# Altium PCB 2-quilter-output.pcbdoc (part 1 of 17)
Units mil, origin at the board's own origin, x right, y up, seen from the top; angles counter-clockwise.
Board outline 2728 x 2217 mil, 8 copper layers (L1_TOP, L2_GND, L3_INNER1, L4_GND, L5_PWR, L6_PWR, L7_GND, L8_BOT), stack 48.64 mil thick; 230 components, 327 nets, 1592 pads, 995 vias.
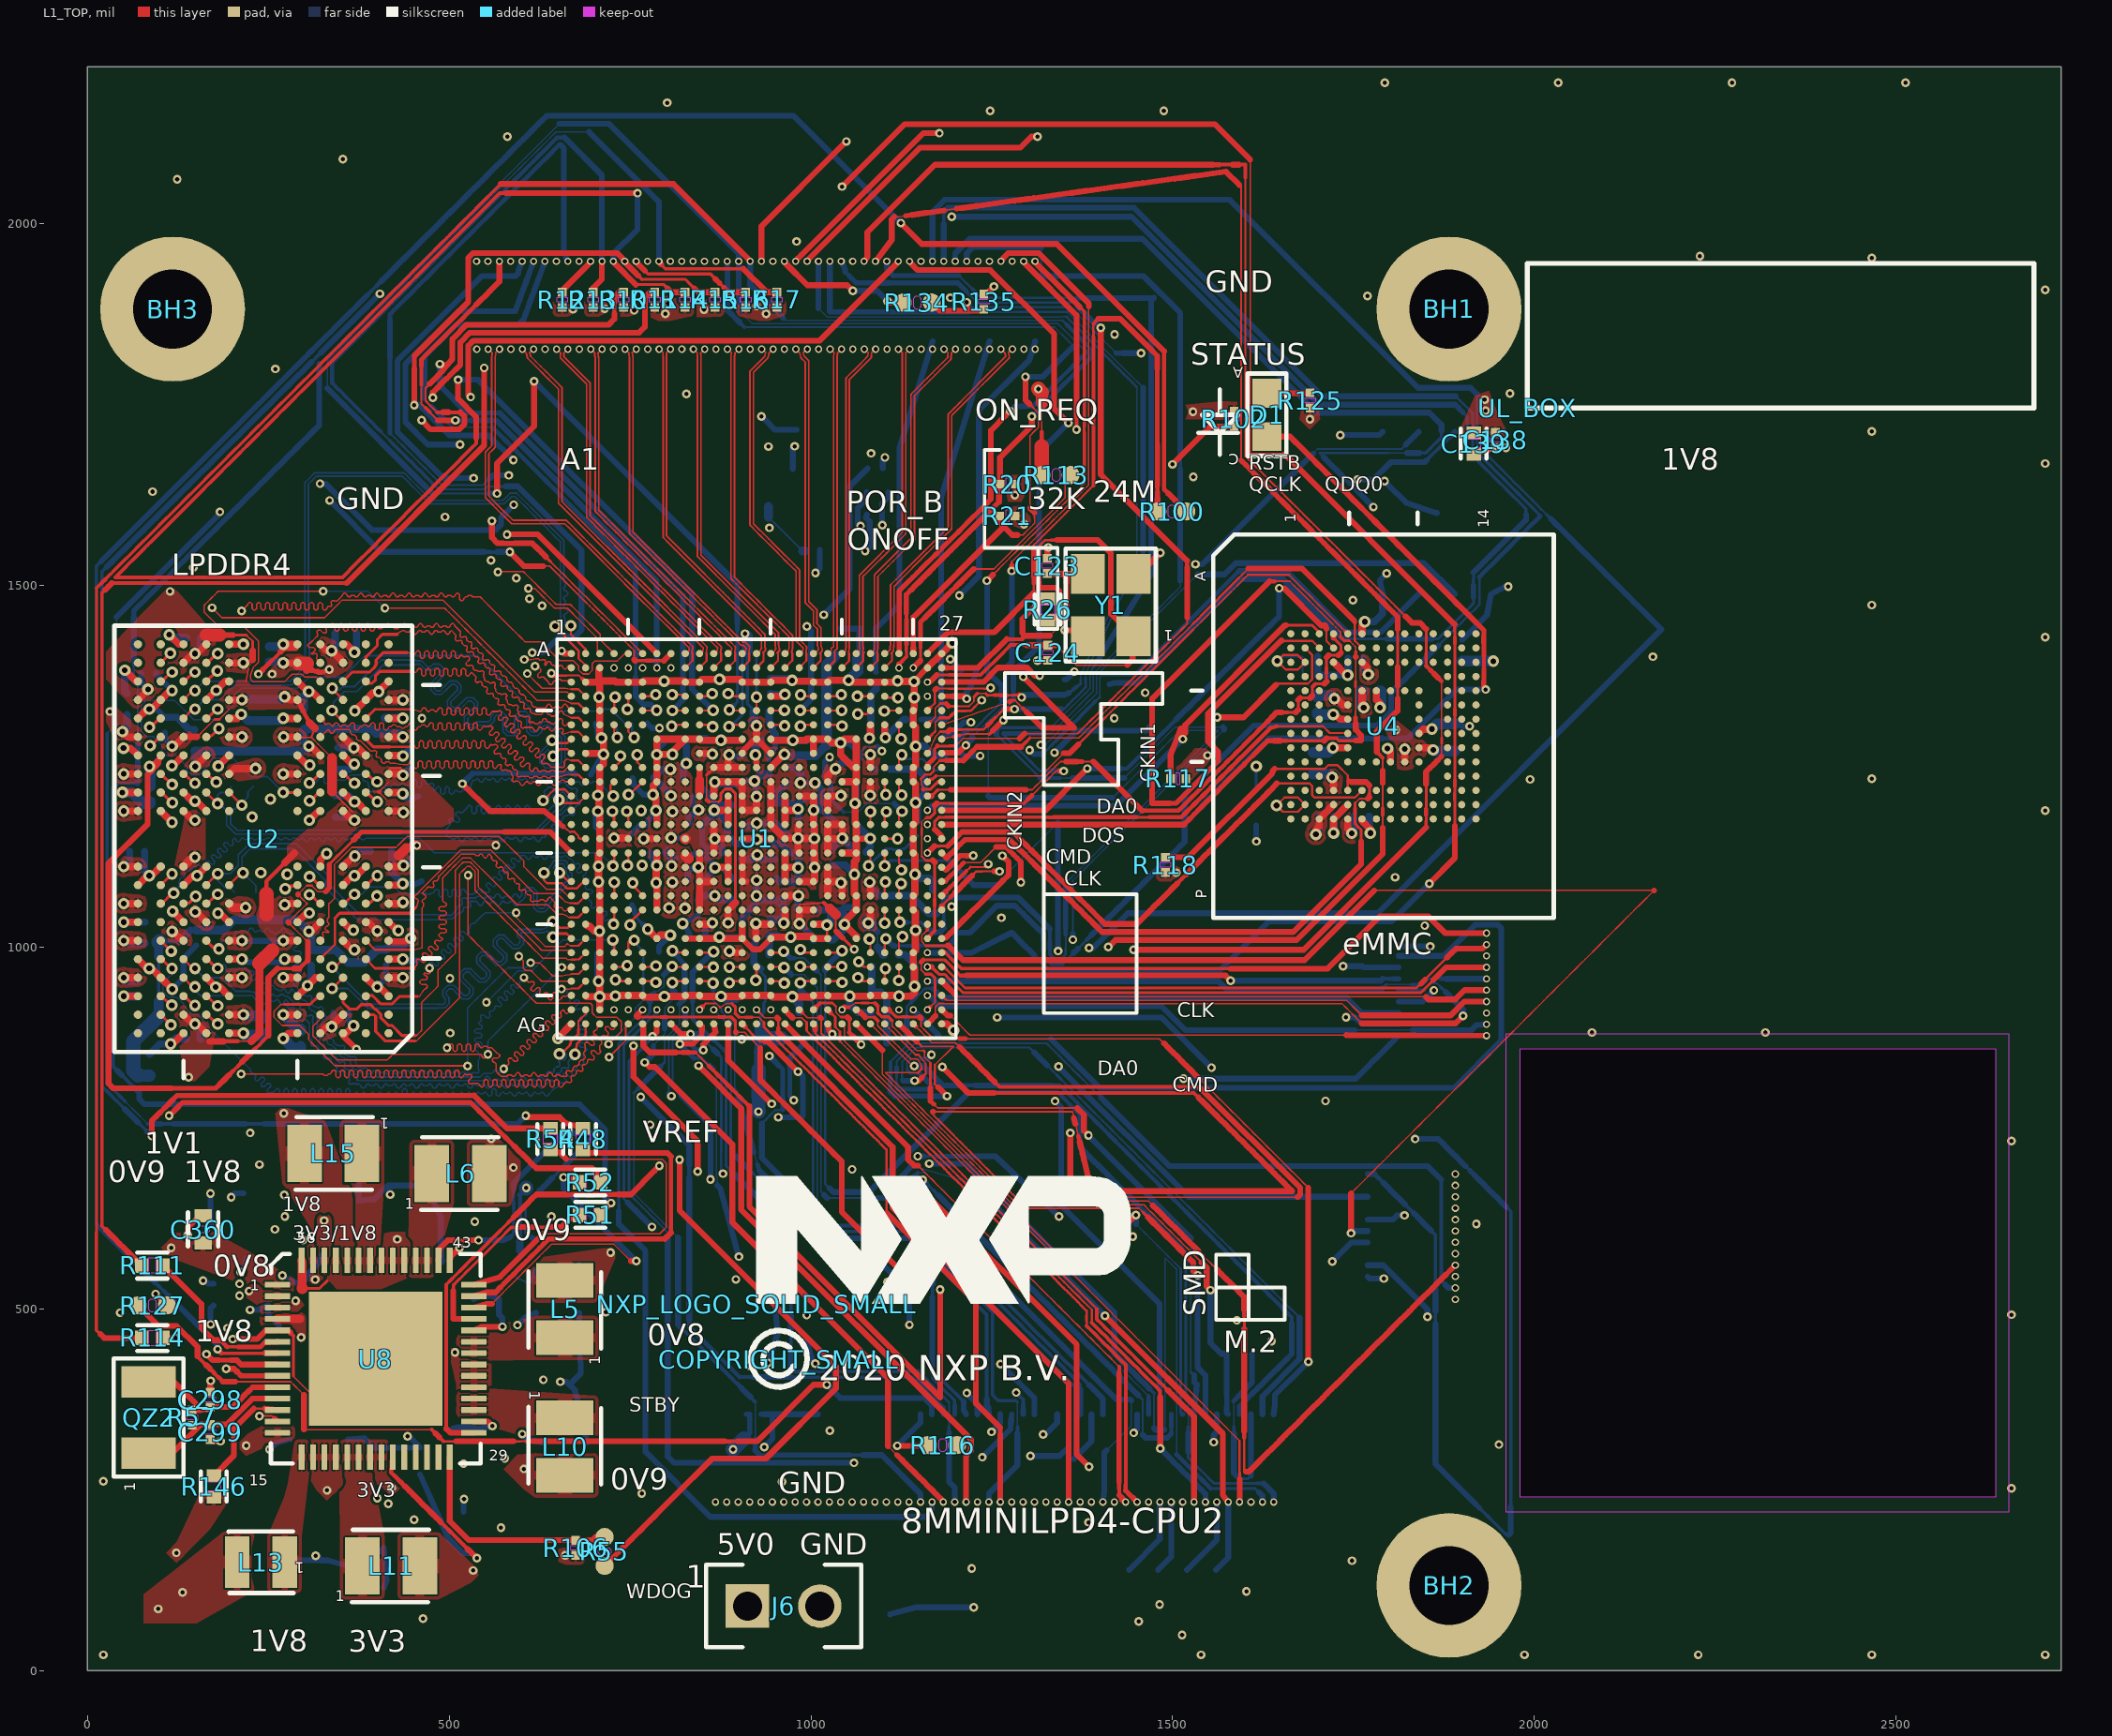
[diagram p0: L1_TOP view]
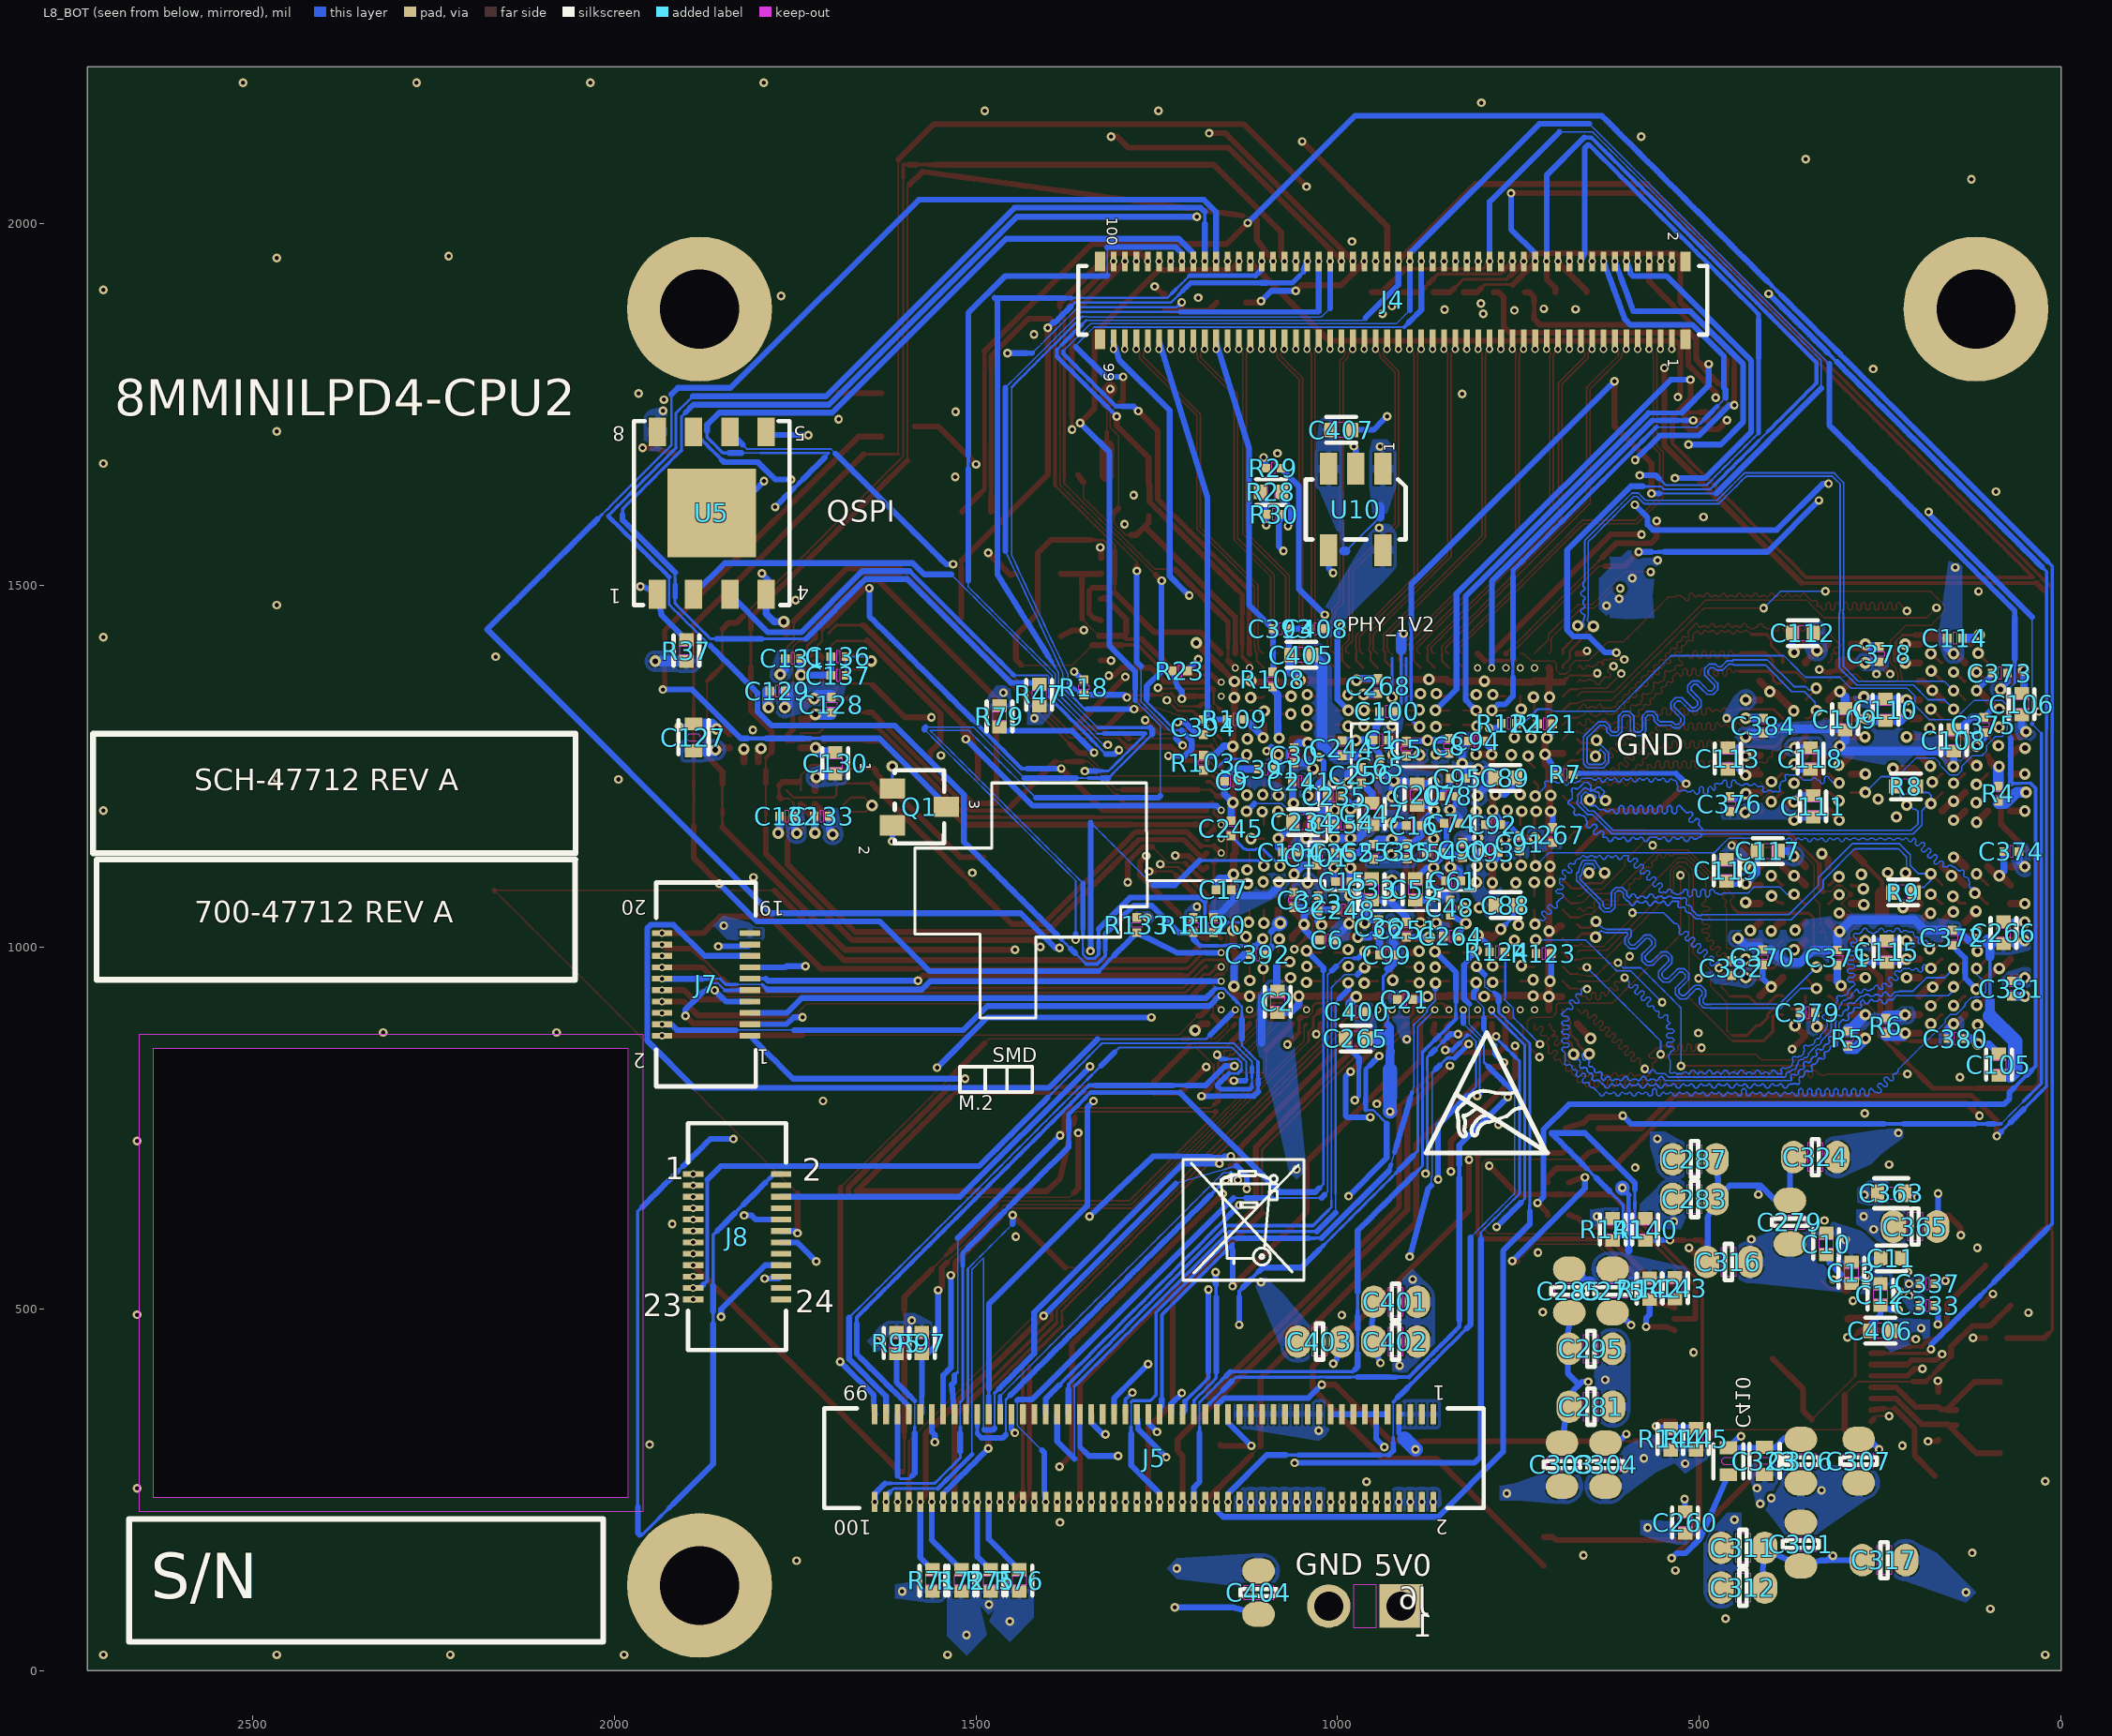
[diagram p1: L8_BOT view, seen from below]
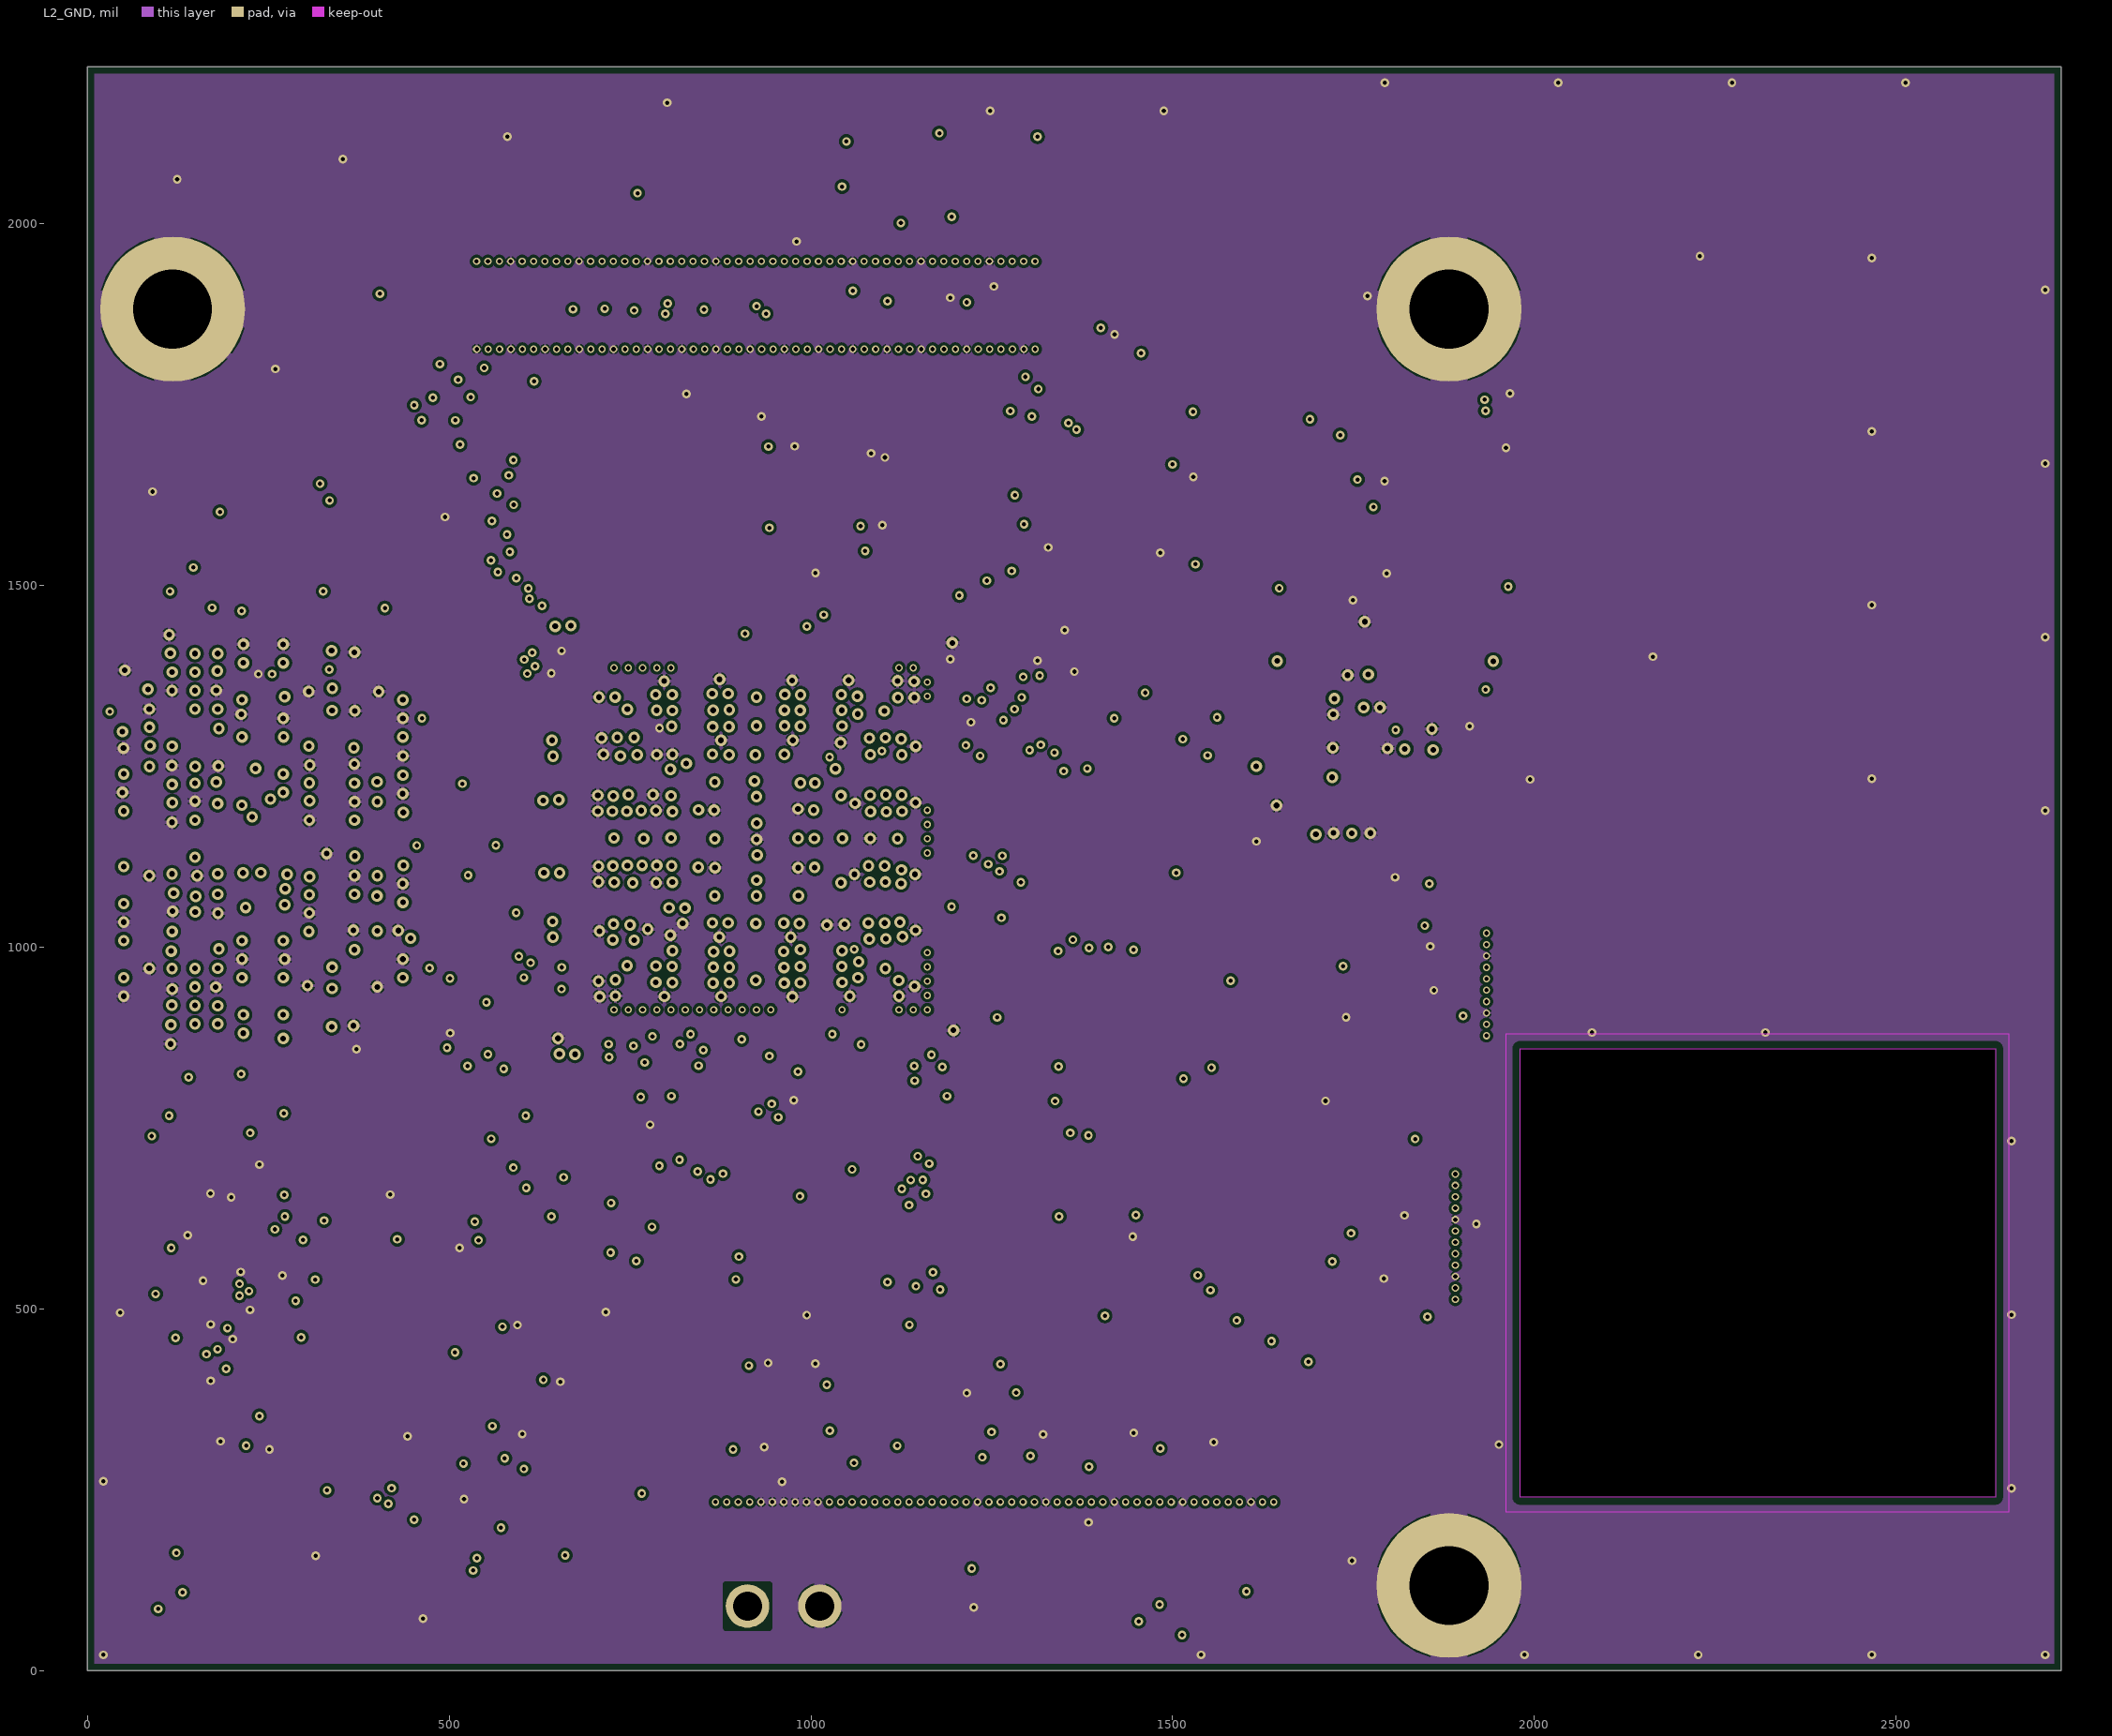
[diagram p2: L2_GND]
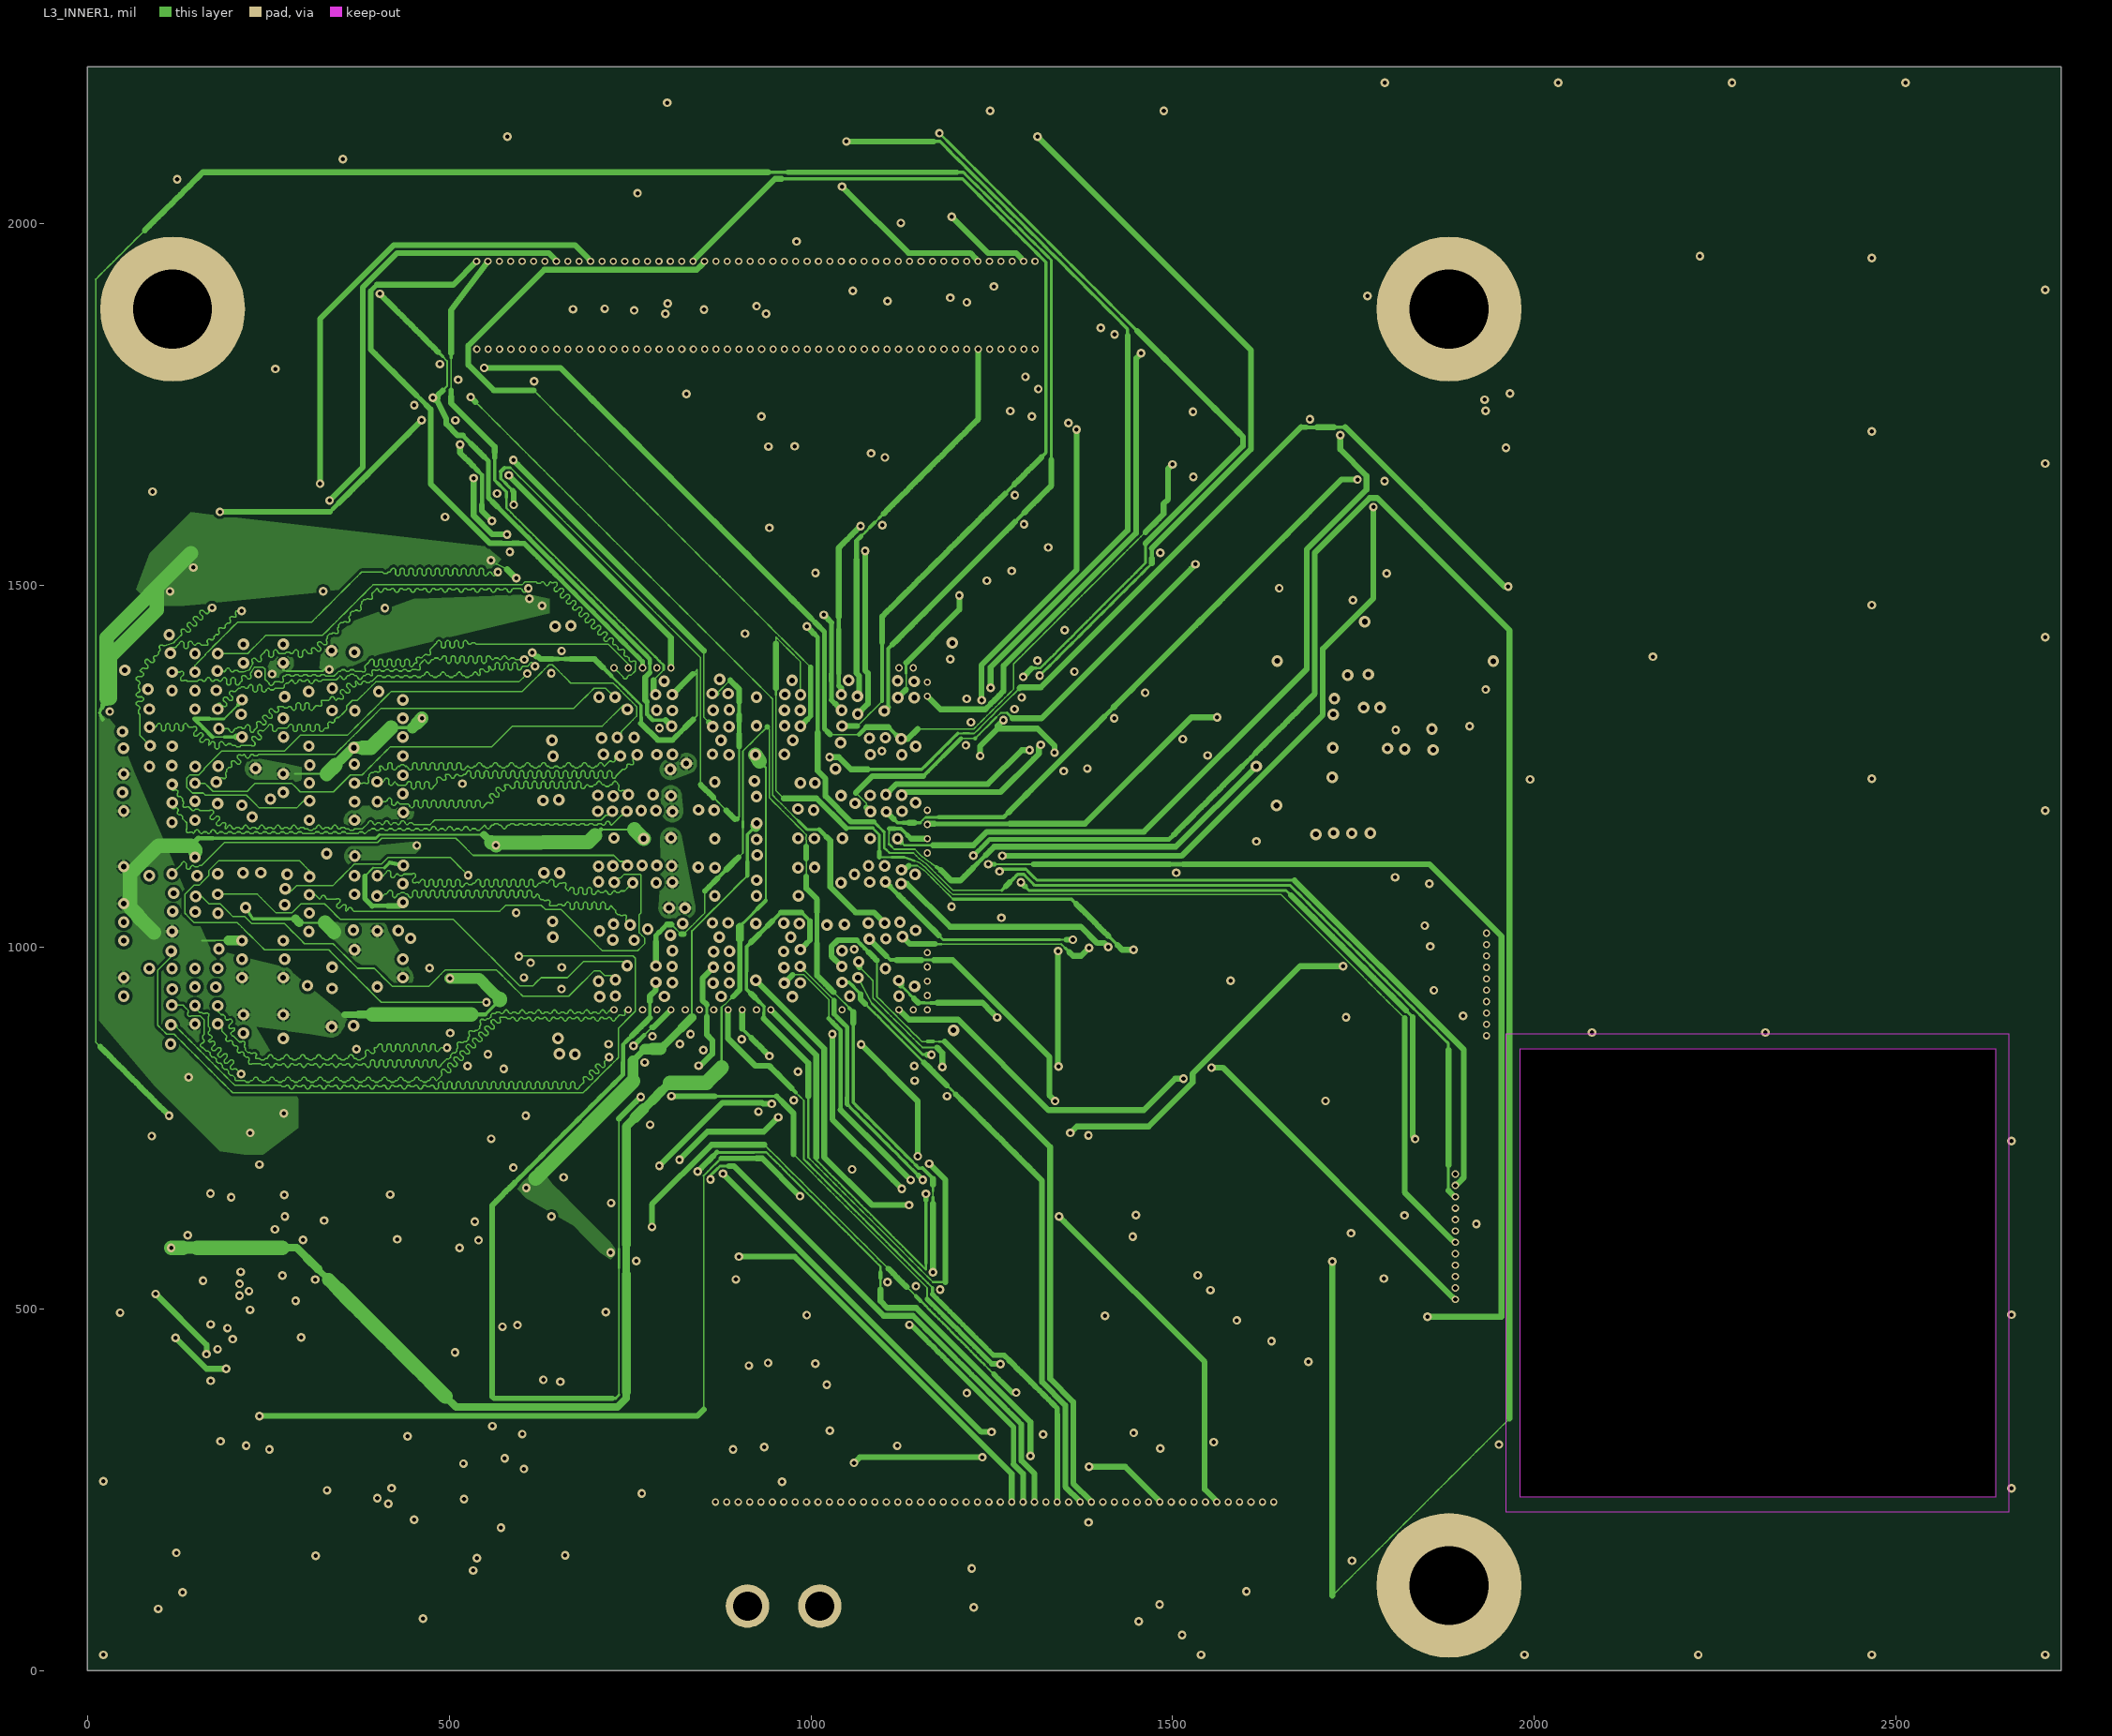
[diagram p3: L3_INNER1]